# Altium PCB AD9361_EXT.PcbDoc (part 2 of 9)
Units mil, origin at the board's own origin, x right, y up, seen from the top; angles counter-clockwise.
Board outline 3145.03 x 1955.03 mil, 2 copper layers (Top Layer, Bottom Layer); 53 components, 59 nets, 286 pads, 253 vias.
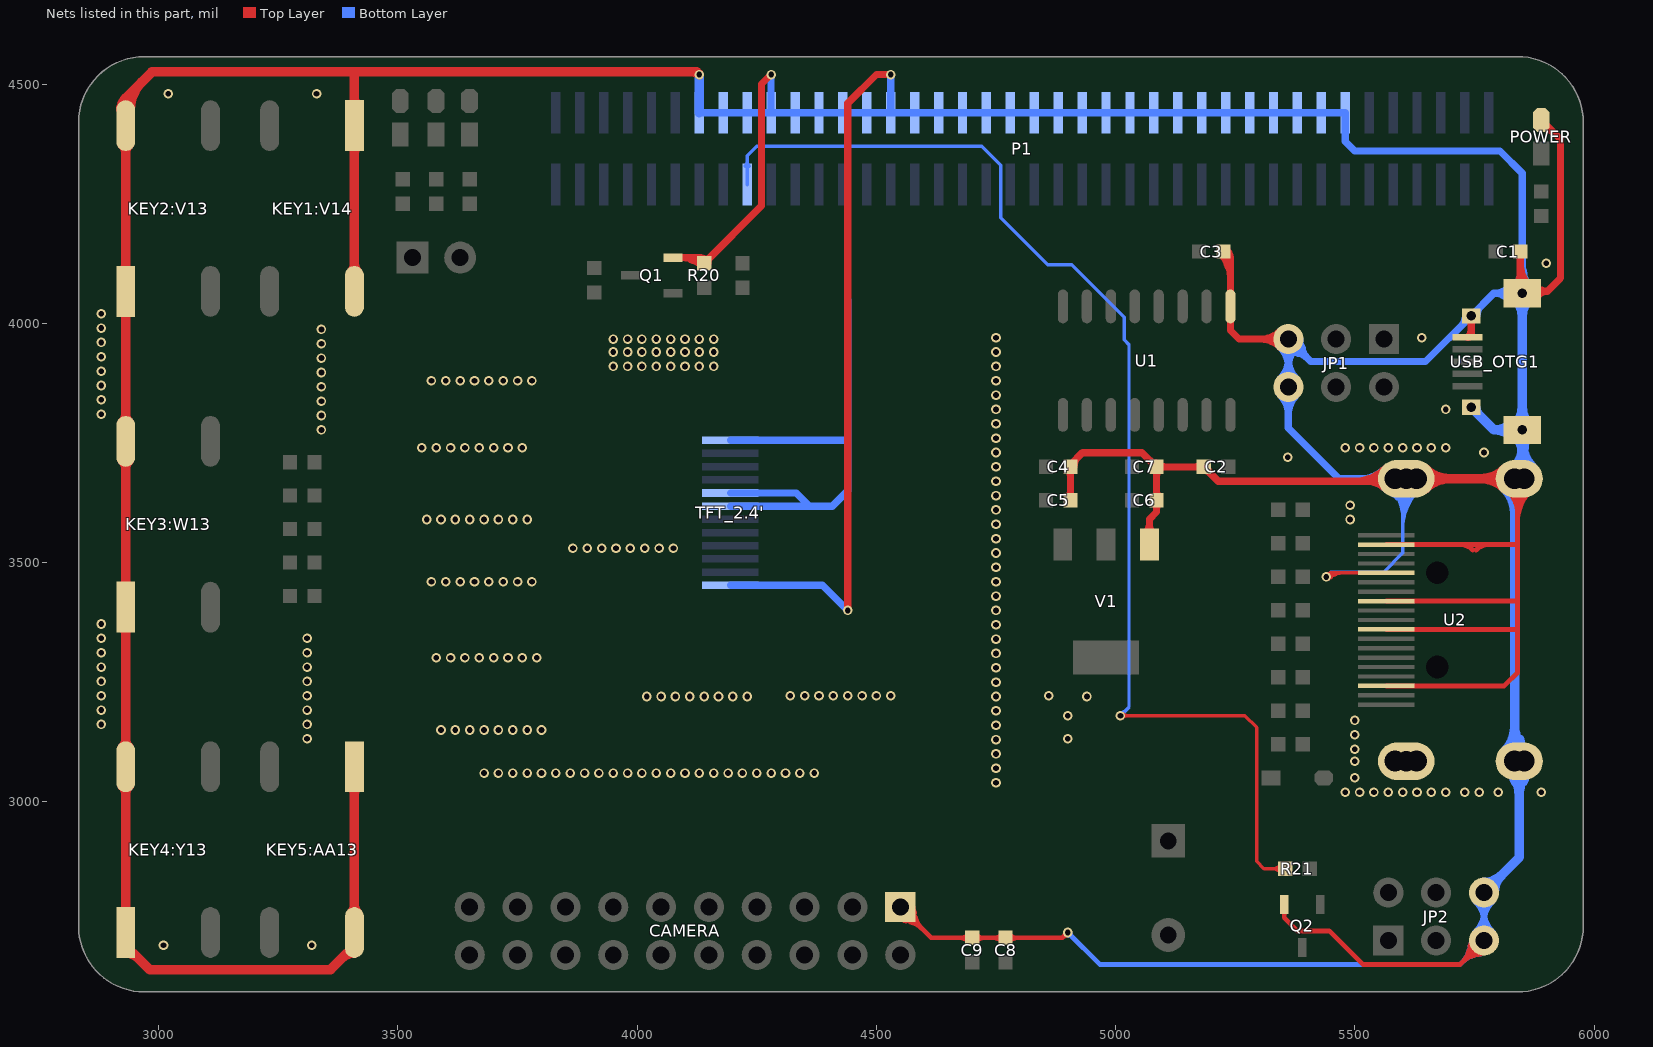
[diagram p2: the nets of this part, all layers, seen from the top]

## Via types
v1: diameter 20, hole 12, Top Layer to Bottom Layer, tented both sides, 253 vias

## Nets (pads, with @x,y where several pads share a name; then routed paths per layer and width w, separated by ;. In a path a pad name is that pad's centre, name@x,y a point inside that pad or via, vN(x,y) a via of type N, cw(c..) or ccw(c..) an arc to the next point about the centre after c; other vN are vias at no path point) (continued)
BEEP: P1.18 R21.1 | length 3021.7
  Top Layer w7: v1(5010,3180) 5270,3180 5294.7,3155.3 5294.7,2875.3 5310,2860 R21.1@5354.41,2860 ; v1@5014.6,3175.4 cw(c5025.69,3164.31) 5025.69,3180 ; v1@5014.6,3175.4 cw(c5025.69,3164.31) 5025.69,3180 ; v1@5014.6,3175.4 cw(c5025.69,3164.31) 5025.69,3180 ; v1@5014.6,3175.4 cw(c5025.69,3164.31) 5025.69,3180 ; v1@5014.6,3184.6 ccw(c5025.69,3195.69) 5025.69,3180 ; v1@5014.6,3184.6 ccw(c5025.69,3195.69) 5025.69,3180 ; v1@5014.6,3184.6 ccw(c5025.69,3195.69) 5025.69,3180 ; v1@5014.6,3184.6 ccw(c5025.69,3195.69) 5025.69,3180 ; 5326.64,2860 cw(c5326.64,2832.23) R21.1@5346.27,2851.87 ; 5326.64,2860 ccw(c5326.64,2887.76) R21.1@5346.27,2868.13 ; 5326.64,2860 cw(c5326.64,2832.23) R21.1@5346.27,2851.87 ; 5326.64,2860 ccw(c5326.64,2887.76) R21.1@5346.27,2868.13 ; 5326.64,2860 cw(c5326.64,2832.23) R21.1@5346.27,2851.87 ; 5326.64,2860 ccw(c5326.64,2887.76) R21.1@5346.27,2868.13 ; 5326.64,2860 cw(c5326.64,2832.23) R21.1@5346.27,2851.87 ; 5326.64,2860 ccw(c5326.64,2887.76) R21.1@5346.27,2868.13
  Bottom Layer w7: P1.18@4230,4290 4230,4350 4250,4370 4720,4370 4759.66,4330.34 4759.66,4220.54 4858.1,4122.1 4908.5,4122.1 5018,4012.6 5018,3965.21 5028,3955.21 5028,3198 v1(5010,3180) ; P1.18@4225.52,4328.34 ccw(c4214.69,4339.17) 4230,4339.17 ; P1.18@4225.52,4328.34 ccw(c4214.69,4339.17) 4230,4339.17 ; P1.18@4225.52,4328.34 ccw(c4214.69,4339.17) 4230,4339.17 ; P1.18@4225.52,4328.34 ccw(c4214.69,4339.17) 4230,4339.17 ; 4230,4339.17 ccw(c4245.31,4339.17) P1.18@4234.48,4328.34 ; 4230,4339.17 ccw(c4245.31,4339.17) P1.18@4234.48,4328.34 ; 4230,4339.17 ccw(c4245.31,4339.17) P1.18@4234.48,4328.34 ; 4230,4339.17 ccw(c4245.31,4339.17) P1.18@4234.48,4328.34 ; v1@5010,3186.5 ccw(c5010,3202.19) 5021.1,3191.1 ; v1@5010,3186.5 ccw(c5010,3202.19) 5021.1,3191.1 ; v1@5010,3186.5 ccw(c5010,3202.19) 5021.1,3191.1 ; v1@5010,3186.5 ccw(c5010,3202.19) 5021.1,3191.1 ; v1@5016.5,3180 cw(c5032.19,3180) 5021.1,3191.1 ; v1@5016.5,3180 cw(c5032.19,3180) 5021.1,3191.1 ; v1@5016.5,3180 cw(c5032.19,3180) 5021.1,3191.1 ; v1@5016.5,3180 cw(c5032.19,3180) 5021.1,3191.1
GND: C1.2 C2.2 C3.2 C4.2 C5.2 C6.2 C7.2 C8.2 C9.2 CAMERA.1 JP1.5 JP1.6 JP2.5 JP2.6 KEY1:V14.1 KEY2:V13.1 KEY3:W13.1 KEY4:Y13.1 KEY5:AA13.1 P1.13 P1.15 P1.17 P1.19 P1.21 P1.23 P1.25 P1.27 P1.29 P1.31 P1.33 P1.35 P1.37 P1.39 P1.41 P1.43 P1.45 P1.47 P1.49 P1.51 P1.53 P1.55 P1.57 P1.59 P1.61 P1.63 P1.65 P1.67 POWER.2 Q1.2 Q2.2 R20.1 TFT_2.4'.1 TFT_2.4'.5 TFT_2.4'.6 TFT_2.4'.12 U1.1 U2.2 U2.5 U2.8 U2.11 U2.17 U2.MH1 U2.MH2 U2.MH3 U2.MH4 USB_OTG1.5 V1.1 | length 82829.7
  Top Layer w7: v1(5440,3470) 5448.43,3478.43 U2.5@5566.06,3478.43 ; v1@5439.65,3470.35 cw(c5459.13,3450.87) 5459.13,3478.43 ; v1@5439.65,3470.35 cw(c5459.13,3450.87) 5459.13,3478.43 ; v1@5439.65,3470.35 cw(c5459.13,3450.87) 5459.13,3478.43 ; v1@5439.65,3470.35 cw(c5459.13,3450.87) 5459.13,3478.43 ; v1@5439.73,3469.58 ccw(c5445.77,3479.06) 5451.39,3469.33 ; v1@5439.73,3469.58 ccw(c5445.77,3479.06) 5451.39,3469.33 ; v1@5439.73,3469.58 ccw(c5445.77,3479.06) 5451.39,3469.33 ; v1@5439.73,3469.58 ccw(c5445.77,3479.06) 5451.39,3469.33 ; v1@5439.73,3469.58 ccw(c5445.77,3479.06) 5451.39,3469.33 ; v1@5439.73,3469.58 ccw(c5445.77,3479.06) 5451.39,3469.33 ; v1@5441.38,3476.35 ccw(c5443,3483.85) 5448.42,3478.42 ; v1@5441.38,3476.35 ccw(c5443,3483.85) 5448.42,3478.42 ; v1@5441.38,3476.35 ccw(c5443,3483.85) 5448.42,3478.42 ; v1@5441.38,3476.35 ccw(c5443,3483.85) 5448.42,3478.42 ; v1@5441.72,3476.27 ccw(c5445.35,3489.55) 5452.24,3477.63 ; v1@5441.72,3476.27 ccw(c5445.35,3489.55) 5452.24,3477.63 ; v1@5441.72,3476.27 ccw(c5445.35,3489.55) 5452.24,3477.63 ; v1@5441.72,3476.27 ccw(c5445.35,3489.55) 5452.24,3477.63 ; v1@5441.72,3476.27 ccw(c5445.35,3489.55) 5452.24,3477.63 ; v1@5441.72,3476.27 ccw(c5445.35,3489.55) 5452.24,3477.63 ; v1@5443.49,3475.48 ccw(c5452.76,3490.04) 5461.39,3475.1 ; v1@5443.49,3475.48 ccw(c5452.76,3490.04) 5461.39,3475.1 ; v1@5443.49,3475.48 ccw(c5452.76,3490.04) 5461.39,3475.1 ; v1@5443.49,3475.48 ccw(c5452.76,3490.04) 5461.39,3475.1 ; v1@5443.49,3475.48 ccw(c5452.76,3490.04) 5461.39,3475.1 ; v1@5443.49,3475.48 ccw(c5452.76,3490.04) 5461.39,3475.1 ; v1@5444.6,3465.4 cw(c5476.03,3433.97) 5476.03,3478.43 ; v1@5444.6,3465.4 cw(c5476.03,3433.97) 5476.03,3478.43 ; v1@5444.6,3465.4 cw(c5476.03,3433.97) 5476.03,3478.43 ; v1@5444.6,3465.4 cw(c5476.03,3433.97) 5476.03,3478.43 ; v1@5446.35,3471.38 cw(c5453.85,3473) 5448.42,3478.42 ; v1@5446.35,3471.38 cw(c5453.85,3473) 5448.42,3478.42 ; v1@5446.35,3471.38 cw(c5453.85,3473) 5448.42,3478.42 ; v1@5446.35,3471.38 cw(c5453.85,3473) 5448.42,3478.42 ; v1@5446.43,3469.06 cw(c5458.18,3467.35) 5452.24,3477.63 ; v1@5446.43,3469.06 cw(c5458.18,3467.35) 5452.24,3477.63 ; v1@5446.43,3469.06 cw(c5458.18,3467.35) 5452.24,3477.63 ; v1@5446.43,3469.06 cw(c5458.18,3467.35) 5452.24,3477.63 ; v1@5446.43,3469.06 cw(c5458.18,3467.35) 5452.24,3477.63 ; v1@5446.43,3469.06 cw(c5458.18,3467.35) 5452.24,3477.63
  Top Layer w10: CAMERA.1@4550,2780 4614.41,2715.59 C9.2@4700,2715.59 C8.2@4770,2715.59 4888.82,2715.59 v1(4900,2726.77) ; Q2.2@5352.6,2785 5352.6,2757.4 5380,2730 5446.59,2730 5516.59,2660 5720,2660 JP2.5@5770,2710 ; U2.17@5566.06,3242.2 5812.2,3242.2 5840,3270 5840,3360 ; U2.11@5566.06,3360.32 5839.69,3360.32 5840,3360 ; U2.8@5566.06,3419.37 5839.37,3419.37 5840,3420 ; U2.2@5566.06,3537.48 5840,3537.48 ; 5719.87,3537.48 cw(c5719.87,3499.87) 5746.46,3526.46 ; 5753.54,3526.46 cw(c5780.13,3499.87) 5780.13,3537.48 ; U2.MH3@5833.94,3675 5840,3668.94 5840,3537.48 ; CAMERA.1@4536.77,2777.29 ccw(c4571.43,2784.39) CAMERA.1@4562.27,2750.22 ; CAMERA.1@4536.77,2777.29 ccw(c4571.43,2784.39) CAMERA.1@4562.27,2750.22 ; CAMERA.1@4536.77,2777.29 ccw(c4571.43,2784.39) CAMERA.1@4562.27,2750.22 ; CAMERA.1@4536.77,2777.29 ccw(c4571.43,2784.39) CAMERA.1@4562.27,2750.22 ; CAMERA.1@4536.77,2777.29 ccw(c4571.43,2784.39) CAMERA.1@4562.27,2750.22 ; CAMERA.1@4536.77,2777.29 ccw(c4571.43,2784.39) CAMERA.1@4562.27,2750.22 ; CAMERA.1@4546.57,2779.3 ccw(c4589.16,2788.02) 4577.9,2746.03 ; CAMERA.1@4546.57,2779.3 ccw(c4589.16,2788.02) 4577.9,2746.03 ; CAMERA.1@4546.57,2779.3 ccw(c4589.16,2788.02) 4577.9,2746.03 ; CAMERA.1@4546.57,2779.3 ccw(c4589.16,2788.02) 4577.9,2746.03 ; CAMERA.1@4546.57,2779.3 ccw(c4589.16,2788.02) 4577.9,2746.03 ; CAMERA.1@4546.57,2779.3 ccw(c4589.16,2788.02) 4577.9,2746.03 ; CAMERA.1@4550,2753.5 cw(c4550,2689.54) 4595.23,2734.77 ; CAMERA.1@4550,2753.5 cw(c4550,2689.54) 4595.23,2734.77 ; CAMERA.1@4550,2753.5 cw(c4550,2689.54) 4595.23,2734.77 ; CAMERA.1@4550,2753.5 cw(c4550,2689.54) 4595.23,2734.77 ; CAMERA.1@4550,2763.5 cw(c4550,2723.68) CAMERA.1@4578.16,2751.84 ; CAMERA.1@4550,2763.5 cw(c4550,2723.68) CAMERA.1@4578.16,2751.84 ; CAMERA.1@4550,2763.5 cw(c4550,2723.68) CAMERA.1@4578.16,2751.84 ; CAMERA.1@4550,2763.5 cw(c4550,2723.68) CAMERA.1@4578.16,2751.84 ; CAMERA.1@4550.7,2783.43 cw(c4541.98,2740.84) 4583.97,2752.1 ; CAMERA.1@4550.7,2783.43 cw(c4541.98,2740.84) 4583.97,2752.1 ; CAMERA.1@4550.7,2783.43 cw(c4541.98,2740.84) 4583.97,2752.1 ; CAMERA.1@4550.7,2783.43 cw(c4541.98,2740.84) 4583.97,2752.1 ; CAMERA.1@4550.7,2783.43 cw(c4541.98,2740.84) 4583.97,2752.1 ; CAMERA.1@4550.7,2783.43 cw(c4541.98,2740.84) 4583.97,2752.1 ; CAMERA.1@4552.71,2793.23 cw(c4545.61,2758.57) CAMERA.1@4579.78,2767.73 ; CAMERA.1@4552.71,2793.23 cw(c4545.61,2758.57) CAMERA.1@4579.78,2767.73 ; CAMERA.1@4552.71,2793.23 cw(c4545.61,2758.57) CAMERA.1@4579.78,2767.73 ; CAMERA.1@4552.71,2793.23 cw(c4545.61,2758.57) CAMERA.1@4579.78,2767.73 ; CAMERA.1@4552.71,2793.23 cw(c4545.61,2758.57) CAMERA.1@4579.78,2767.73 ; CAMERA.1@4552.71,2793.23 cw(c4545.61,2758.57) CAMERA.1@4579.78,2767.73 ; CAMERA.1@4566.5,2780 ccw(c4606.32,2780) CAMERA.1@4578.16,2751.84 ; CAMERA.1@4566.5,2780 ccw(c4606.32,2780) CAMERA.1@4578.16,2751.84 ; CAMERA.1@4566.5,2780 ccw(c4606.32,2780) CAMERA.1@4578.16,2751.84 ; CAMERA.1@4566.5,2780 ccw(c4606.32,2780) CAMERA.1@4578.16,2751.84 ; CAMERA.1@4576.5,2780 ccw(c4640.46,2780) 4595.23,2734.77 ; CAMERA.1@4576.5,2780 ccw(c4640.46,2780) 4595.23,2734.77 ; CAMERA.1@4576.5,2780 ccw(c4640.46,2780) 4595.23,2734.77 ; CAMERA.1@4576.5,2780 ccw(c4640.46,2780) 4595.23,2734.77 ; 4675.86,2715.59 cw(c4675.86,2691.45) C9.2@4692.93,2708.52 ; 4675.86,2715.59 ccw(c4675.86,2739.73) C9.2@4692.93,2722.66 ; 4675.86,2715.59 cw(c4675.86,2691.45) C9.2@4692.93,2708.52 ; 4675.86,2715.59 ccw(c4675.86,2739.73) C9.2@4692.93,2722.66 ; 4675.86,2715.59 cw(c4675.86,2691.45) C9.2@4692.93,2708.52 ; 4675.86,2715.59 ccw(c4675.86,2739.73) C9.2@4692.93,2722.66 ; 4675.86,2715.59 cw(c4675.86,2691.45) C9.2@4692.93,2708.52 ; 4675.86,2715.59 ccw(c4675.86,2739.73) C9.2@4692.93,2722.66 ; C9.2@4707.07,2708.52 cw(c4724.15,2691.45) 4724.15,2715.59 ; C9.2@4707.07,2708.52 cw(c4724.15,2691.45) 4724.15,2715.59 ; C9.2@4707.07,2708.52 cw(c4724.15,2691.45) 4724.15,2715.59 ; C9.2@4707.07,2708.52 cw(c4724.15,2691.45) 4724.15,2715.59 ; C9.2@4707.07,2722.66 ccw(c4724.15,2739.73) 4724.15,2715.59 ; C9.2@4707.07,2722.66 ccw(c4724.15,2739.73) 4724.15,2715.59 ; C9.2@4707.07,2722.66 ccw(c4724.15,2739.73) 4724.15,2715.59 ; C9.2@4707.07,2722.66 ccw(c4724.15,2739.73) 4724.15,2715.59 ; 4745.86,2715.59 cw(c4745.86,2691.45) C8.2@4762.93,2708.52 ; 4745.86,2715.59 ccw(c4745.86,2739.73) C8.2@4762.93,2722.66 ; 4745.86,2715.59 cw(c4745.86,2691.45) C8.2@4762.93,2708.52 ; 4745.86,2715.59 ccw(c4745.86,2739.73) C8.2@4762.93,2722.66 ; 4745.86,2715.59 cw(c4745.86,2691.45) C8.2@4762.93,2708.52 ; 4745.86,2715.59 ccw(c4745.86,2739.73) C8.2@4762.93,2722.66 ; 4745.86,2715.59 cw(c4745.86,2691.45) C8.2@4762.93,2708.52 ; 4745.86,2715.59 ccw(c4745.86,2739.73) C8.2@4762.93,2722.66 ; C8.2@4777.07,2708.52 cw(c4794.15,2691.45) 4794.15,2715.59 ; C8.2@4777.07,2708.52 cw(c4794.15,2691.45) 4794.15,2715.59 ; C8.2@4777.07,2708.52 cw(c4794.15,2691.45) 4794.15,2715.59 ; C8.2@4777.07,2708.52 cw(c4794.15,2691.45) 4794.15,2715.59 ; C8.2@4777.07,2722.66 ccw(c4794.15,2739.73) 4794.15,2715.59 ; C8.2@4777.07,2722.66 ccw(c4794.15,2739.73) 4794.15,2715.59 ; C8.2@4777.07,2722.66 ccw(c4794.15,2739.73) 4794.15,2715.59 ; C8.2@4777.07,2722.66 ccw(c4794.15,2739.73) 4794.15,2715.59 ; 4891.46,2718.24 cw(c4900,2709.7) v1@4900,2721.77 ; 4891.46,2718.24 ccw(c4882.93,2726.77) v1@4895,2726.77 ; 4891.46,2718.24 cw(c4900,2709.7) v1@4900,2721.77 ; 4891.46,2718.24 ccw(c4882.93,2726.77) v1@4895,2726.77 ; 4891.46,2718.24 cw(c4900,2709.7) v1@4900,2721.77 ; 4891.46,2718.24 ccw(c4882.93,2726.77) v1@4895,2726.77 ; 4891.46,2718.24 cw(c4900,2709.7) v1@4900,2721.77 ; 4891.46,2718.24 ccw(c4882.93,2726.77) v1@4895,2726.77 ; Q2.2@5349.87,2771.45 cw(c5343.28,2764.86) 5352.6,2764.86 ; Q2.2@5349.87,2771.45 cw(c5343.28,2764.86) 5352.6,2764.86 ; Q2.2@5349.87,2771.45 cw(c5343.28,2764.86) 5352.6,2764.86 ; Q2.2@5349.87,2771.45 cw(c5343.28,2764.86) 5352.6,2764.86 ; 5352.6,2764.86 cw(c5361.91,2764.86) Q2.2@5355.33,2771.45 ; 5352.6,2764.86 cw(c5361.91,2764.86) Q2.2@5355.33,2771.45 ; 5352.6,2764.86 cw(c5361.91,2764.86) Q2.2@5355.33,2771.45 ; 5352.6,2764.86 cw(c5361.91,2764.86) Q2.2@5355.33,2771.45 ; 5724.77,2664.77 cw(c5770,2619.54) JP2.5@5770,2683.5 ; 5724.77,2664.77 ccw(c5679.54,2710) JP2.5@5743.5,2710 ; 5724.77,2664.77 cw(c5770,2619.54) JP2.5@5770,2683.5 ; 5724.77,2664.77 ccw(c5679.54,2710) JP2.5@5743.5,2710 ; 5724.77,2664.77 cw(c5770,2619.54) JP2.5@5770,2683.5 ; 5724.77,2664.77 ccw(c5679.54,2710) JP2.5@5743.5,2710 ; 5724.77,2664.77 cw(c5770,2619.54) JP2.5@5770,2683.5 ; 5724.77,2664.77 ccw(c5679.54,2710) JP2.5@5743.5,2710 ; 5736.03,2682.1 cw(c5778.02,2670.84) JP2.5@5769.3,2713.43 ; 5736.03,2682.1 cw(c5778.02,2670.84) JP2.5@5769.3,2713.43 ; 5736.03,2682.1 cw(c5778.02,2670.84) JP2.5@5769.3,2713.43 ; 5736.03,2682.1 cw(c5778.02,2670.84) JP2.5@5769.3,2713.43 ; 5736.03,2682.1 cw(c5778.02,2670.84) JP2.5@5769.3,2713.43 ; 5736.03,2682.1 cw(c5778.02,2670.84) JP2.5@5769.3,2713.43 ; 5740.22,2697.73 cw(c5774.39,2688.57) JP2.5@5767.29,2723.23 ; 5740.22,2697.73 cw(c5774.39,2688.57) JP2.5@5767.29,2723.23 ; 5740.22,2697.73 cw(c5774.39,2688.57) JP2.5@5767.29,2723.23 ; 5740.22,2697.73 cw(c5774.39,2688.57) JP2.5@5767.29,2723.23 ; 5740.22,2697.73 cw(c5774.39,2688.57) JP2.5@5767.29,2723.23 ; 5740.22,2697.73 cw(c5774.39,2688.57) JP2.5@5767.29,2723.23 ; 5741.84,2681.84 cw(c5770,2653.68) JP2.5@5770,2693.5 ; 5741.84,2681.84 ccw(c5713.68,2710) JP2.5@5753.5,2710 ; 5741.84,2681.84 cw(c5770,2653.68) JP2.5@5770,2693.5 ; 5741.84,2681.84 ccw(c5713.68,2710) JP2.5@5753.5,2710 ; 5741.84,2681.84 cw(c5770,2653.68) JP2.5@5770,2693.5 ; 5741.84,2681.84 ccw(c5713.68,2710) JP2.5@5753.5,2710 ; 5741.84,2681.84 cw(c5770,2653.68) JP2.5@5770,2693.5 ; 5741.84,2681.84 ccw(c5713.68,2710) JP2.5@5753.5,2710 ; 5742.1,2676.03 ccw(c5730.84,2718.02) JP2.5@5773.43,2709.3 ; 5742.1,2676.03 ccw(c5730.84,2718.02) JP2.5@5773.43,2709.3 ; 5742.1,2676.03 ccw(c5730.84,2718.02) JP2.5@5773.43,2709.3 ; 5742.1,2676.03 ccw(c5730.84,2718.02) JP2.5@5773.43,2709.3 ; 5742.1,2676.03 ccw(c5730.84,2718.02) JP2.5@5773.43,2709.3 ; 5742.1,2676.03 ccw(c5730.84,2718.02) JP2.5@5773.43,2709.3 ; 5757.73,2680.22 ccw(c5748.57,2714.39) JP2.5@5783.23,2707.29 ; 5757.73,2680.22 ccw(c5748.57,2714.39) JP2.5@5783.23,2707.29 ; 5757.73,2680.22 ccw(c5748.57,2714.39) JP2.5@5783.23,2707.29 ; 5757.73,2680.22 ccw(c5748.57,2714.39) JP2.5@5783.23,2707.29 ; 5757.73,2680.22 ccw(c5748.57,2714.39) JP2.5@5783.23,2707.29 ; 5757.73,2680.22 ccw(c5748.57,2714.39) JP2.5@5783.23,2707.29 ; U2.MH3@5819.32,3650.97 cw(c5769.39,3601.04) 5840,3601.04 ; U2.MH3@5819.32,3650.97 cw(c5769.39,3601.04) 5840,3601.04 ; U2.MH3@5819.32,3650.97 cw(c5769.39,3601.04) 5840,3601.04 ; U2.MH3@5819.32,3650.97 cw(c5769.39,3601.04) 5840,3601.04 ; U2.MH3@5819.32,3650.97 cw(c5769.39,3601.04) 5840,3601.04 ; U2.MH3@5819.32,3650.97 cw(c5769.39,3601.04) 5840,3601.04 ; U2.MH3@5822.16,3663.22 cw(c5779.09,3620.16) 5840,3620.16 ; U2.MH3@5822.16,3663.22 cw(c5779.09,3620.16) 5840,3620.16 ; U2.MH3@5822.16,3663.22 cw(c5779.09,3620.16) 5840,3620.16 ; U2.MH3@5822.16,3663.22 cw(c5779.09,3620.16) 5840,3620.16 ; U2.MH3@5822.16,3663.22 cw(c5779.09,3620.16) 5840,3620.16 ; U2.MH3@5822.16,3663.22 cw(c5779.09,3620.16) 5840,3620.16 ; U2.MH3@5826.39,3658.04 cw(c5793.53,3625.19) 5840,3625.19 ; U2.MH3@5826.39,3658.04 cw(c5793.53,3625.19) 5840,3625.19 ; U2.MH3@5826.39,3658.04 cw(c5793.53,3625.19) 5840,3625.19 ; U2.MH3@5826.39,3658.04 cw(c5793.53,3625.19) 5840,3625.19 ; U2.MH3@5826.39,3658.04 cw(c5793.53,3625.19) 5840,3625.19 ; U2.MH3@5826.39,3658.04 cw(c5793.53,3625.19) 5840,3625.19 ; U2.MH3@5829.23,3670.3 cw(c5803.24,3644.3) U2.MH3@5840,3644.3 ; U2.MH3@5829.23,3670.3 cw(c5803.24,3644.3) U2.MH3@5840,3644.3 ; U2.MH3@5829.23,3670.3 cw(c5803.24,3644.3) U2.MH3@5840,3644.3 ; U2.MH3@5829.23,3670.3 cw(c5803.24,3644.3) U2.MH3@5840,3644.3 ; U2.MH3@5829.23,3670.3 cw(c5803.24,3644.3) U2.MH3@5840,3644.3 ; U2.MH3@5829.23,3670.3 cw(c5803.24,3644.3) U2.MH3@5840,3644.3 ; U2.MH3@5835.9,3658.46 cw(c5837.52,3644.86) U2.MH3@5849.18,3652.04 ; U2.MH3@5835.9,3658.46 cw(c5837.52,3644.86) U2.MH3@5849.18,3652.04 ; U2.MH3@5835.9,3658.46 cw(c5837.52,3644.86) U2.MH3@5849.18,3652.04 ; U2.MH3@5835.9,3658.46 cw(c5837.52,3644.86) U2.MH3@5849.18,3652.04 ; U2.MH3@5835.9,3658.46 cw(c5837.52,3644.86) U2.MH3@5849.18,3652.04 ; U2.MH3@5835.9,3658.46 cw(c5837.52,3644.86) U2.MH3@5849.18,3652.04 ; U2.MH3@5835.9,3658.46 cw(c5837.52,3644.86) U2.MH3@5849.18,3652.04 ; U2.MH3@5835.9,3658.46 cw(c5837.52,3644.86) U2.MH3@5849.18,3652.04 ; U2.MH3@5835.9,3658.46 cw(c5837.52,3644.86) U2.MH3@5849.18,3652.04 ; U2.MH3@5835.9,3658.46 cw(c5837.52,3644.86) U2.MH3@5849.18,3652.04 ; U2.MH3@5835.9,3658.46 cw(c5837.52,3644.86) U2.MH3@5849.18,3652.04 ; U2.MH3@5835.9,3658.46 cw(c5837.52,3644.86) U2.MH3@5849.18,3652.04 ; U2.MH3@5835.9,3658.46 cw(c5837.52,3644.86) U2.MH3@5849.18,3652.04 ; U2.MH3@5835.9,3658.46 cw(c5837.52,3644.86) U2.MH3@5849.18,3652.04 ; U2.MH3@5835.9,3658.46 cw(c5837.52,3644.86) U2.MH3@5849.18,3652.04 ; U2.MH3@5835.9,3658.46 cw(c5837.52,3644.86) U2.MH3@5849.18,3652.04 ; U2.MH3@5835.9,3658.46 cw(c5837.52,3644.86) U2.MH3@5849.18,3652.04 ; U2.MH3@5835.9,3658.46 cw(c5837.52,3644.86) U2.MH3@5849.18,3652.04 ; U2.MH3@5835.9,3658.46 cw(c5837.52,3644.86) U2.MH3@5849.18,3652.04 ; U2.MH3@5835.9,3658.46 cw(c5837.52,3644.86) U2.MH3@5849.18,3652.04 ; U2.MH3@5835.9,3658.46 cw(c5837.52,3644.86) U2.MH3@5849.18,3652.04 ; U2.MH3@5835.9,3658.46 cw(c5837.52,3644.86) U2.MH3@5849.18,3652.04 ; U2.MH3@5835.9,3658.46 cw(c5837.52,3644.86) U2.MH3@5849.18,3652.04 ; U2.MH3@5835.9,3658.46 cw(c5837.52,3644.86) U2.MH3@5849.18,3652.04 ; U2.MH3@5835.9,3658.46 cw(c5837.52,3644.86) U2.MH3@5849.18,3652.04 ; U2.MH3@5835.9,3658.46 cw(c5837.52,3644.86) U2.MH3@5849.18,3652.04 ; U2.MH3@5835.9,3658.46 cw(c5837.52,3644.86) U2.MH3@5849.18,3652.04 ; U2.MH3@5835.9,3658.46 cw(c5837.52,3644.86) U2.MH3@5849.18,3652.04 ; U2.MH3@5835.9,3658.46 cw(c5837.52,3644.86) U2.MH3@5849.18,3652.04 ; U2.MH3@5835.9,3658.46 cw(c5837.52,3644.86) U2.MH3@5849.18,3652.04 ; U2.MH3@5835.9,3658.46 cw(c5837.52,3644.86) U2.MH3@5849.18,3652.04 ; U2.MH3@5835.9,3658.46 cw(c5837.52,3644.86) U2.MH3@5849.18,3652.04 ; U2.MH3@5835.9,3658.46 cw(c5837.52,3644.86) U2.MH3@5849.18,3652.04 ; U2.MH3@5835.9,3658.46 cw(c5837.52,3644.86) U2.MH3@5849.18,3652.04 ; U2.MH3@5835.9,3658.46 cw(c5837.52,3644.86) U2.MH3@5849.18,3652.04 ; U2.MH3@5836.4,3658.53 cw(c5838.48,3644.63) U2.MH3@5849.96,3652.73 ; U2.MH3@5836.4,3658.53 cw(c5838.48,3644.63) U2.MH3@5849.96,3652.73 ; U2.MH3@5836.4,3658.53 cw(c5838.48,3644.63) U2.MH3@5849.96,3652.73 ; U2.MH3@5836.4,3658.53 cw(c5838.48,3644.63) U2.MH3@5849.96,3652.73 ; U2.MH3@5836.4,3658.53 cw(c5838.48,3644.63) U2.MH3@5849.96,3652.73 ; U2.MH3@5836.4,3658.53 cw(c5838.48,3644.63) U2.MH3@5849.96,3652.73 ; U2.MH3@5836.4,3658.53 cw(c5838.48,3644.63) U2.MH3@5849.96,3652.73 ; U2.MH3@5836.4,3658.53 cw(c5838.48,3644.63) U2.MH3@5849.96,3652.73 ; U2.MH3@5836.4,3658.53 cw(c5838.48,3644.63) U2.MH3@5849.96,3652.73 ; U2.MH3@5836.4,3658.53 cw(c5838.48,3644.63) U2.MH3@5849.96,3652.73 ; U2.MH3@5836.4,3658.53 cw(c5838.48,3644.63) U2.MH3@5849.96,3652.73 ; U2.MH3@5836.4,3658.53 cw(c5838.48,3644.63) U2.MH3@5849.96,3652.73 ; U2.MH3@5836.4,3658.53 cw(c5838.48,3644.63) U2.MH3@5849.96,3652.73 ; U2.MH3@5836.4,3658.53 cw(c5838.48,3644.63) U2.MH3@5849.96,3652.73 ; U2.MH3@5836.4,3658.53 cw(c5838.48,3644.63) U2.MH3@5849.96,3652.73 ; U2.MH3@5836.4,3658.53 cw(c5838.48,3644.63) U2.MH3@5849.96,3652.73 ; U2.MH3@5836.4,3658.53 cw(c5838.48,3644.63) U2.MH3@5849.96,3652.73 ; U2.MH3@5836.4,3658.53 cw(c5838.48,3644.63) U2.MH3@5849.96,3652.73 ; U2.MH3@5836.4,3658.53 cw(c5838.48,3644.63) U2.MH3@5849.96,3652.73 ; U2.MH3@5836.4,3658.53 cw(c5838.48,3644.63) U2.MH3@5849.96,3652.73 ; U2.MH3@5838.31,3658.93 cw(c5840.11,3652.29) U2.MH3@5846.16,3655.57 ; U2.MH3@5838.31,3658.93 cw(c5840.11,3652.29) U2.MH3@5846.16,3655.57 ; U2.MH3@5838.31,3658.93 cw(c5840.11,3652.29) U2.MH3@5846.16,3655.57 ; U2.MH3@5838.31,3658.93 cw(c5840.11,3652.29) U2.MH3@5846.16,3655.57 ; U2.MH3@5838.31,3658.93 cw(c5840.11,3652.29) U2.MH3@5846.16,3655.57 ; U2.MH3@5838.31,3658.93 cw(c5840.11,3652.29) U2.MH3@5846.16,3655.57 ; U2.MH3@5838.31,3658.93 cw(c5840.11,3652.29) U2.MH3@5846.16,3655.57 ; U2.MH3@5838.31,3658.93 cw(c5840.11,3652.29) U2.MH3@5846.16,3655.57 ; U2.MH3@5838.31,3658.93 cw(c5840.11,3652.29) U2.MH3@5846.16,3655.57 ; U2.MH3@5838.31,3658.93 cw(c5840.11,3652.29) U2.MH3@5846.16,3655.57 ; U2.MH3@5838.31,3658.93 cw(c5840.11,3652.29) U2.MH3@5846.16,3655.57 ; U2.MH3@5838.31,3658.93 cw(c5840.11,3652.29) U2.MH3@5846.16,3655.57 ; U2.MH3@5838.31,3658.93 cw(c5840.11,3652.29) U2.MH3@5846.16,3655.57 ; U2.MH3@5838.31,3658.93 cw(c5840.11,3652.29) U2.MH3@5846.16,3655.57 ; U2.MH3@5838.31,3658.93 cw(c5840.11,3652.29) U2.MH3@5846.16,3655.57 ; U2.MH3@5838.31,3658.93 cw(c5840.11,3652.29) U2.MH3@5846.16,3655.57 ; U2.MH3@5838.31,3658.93 cw(c5840.11,3652.29) U2.MH3@5846.16,3655.57 ; U2.MH3@5838.31,3658.93 cw(c5840.11,3652.29) U2.MH3@5846.16,3655.57 ; U2.MH3@5838.31,3658.93 cw(c5840.11,3652.29) U2.MH3@5846.16,3655.57 ; U2.MH3@5838.31,3658.93 cw(c5840.11,3652.29) U2.MH3@5846.16,3655.57 ; 5840,3360 5840,3420 ; 5840,3420 5840,3537.48 ; 5840,3583.55 cw(c5935.34,3583.55) U2.MH3@5867.93,3650.97 ; 5840,3583.55 cw(c5935.34,3583.55) U2.MH3@5867.93,3650.97 ; 5840,3583.55 cw(c5935.34,3583.55) U2.MH3@5867.93,3650.97 ; 5840,3583.55 cw(c5935.34,3583.55) U2.MH3@5867.93,3650.97 ; 5840,3583.55 cw(c5935.34,3583.55) U2.MH3@5867.93,3650.97 ; 5840,3583.55 cw(c5935.34,3583.55) U2.MH3@5867.93,3650.97 ; 5840,3601.15 cw(c5927.79,3601.15) U2.MH3@5865.71,3663.22 ; 5840,3601.15 cw(c5927.79,3601.15) U2.MH3@5865.71,3663.22 ; 5840,3601.15 cw(c5927.79,3601.15) U2.MH3@5865.71,3663.22 ; 5840,3601.15 cw(c5927.79,3601.15) U2.MH3@5865.71,3663.22 ; 5840,3601.15 cw(c5927.79,3601.15) U2.MH3@5865.71,3663.22 ; 5840,3601.15 cw(c5927.79,3601.15) U2.MH3@5865.71,3663.22 ; 5840,3607.7 cw(c5911.2,3607.7) U2.MH3@5860.85,3658.04 ; 5840,3607.7 cw(c5911.2,3607.7) U2.MH3@5860.85,3658.04 ; 5840,3607.7 cw(c5911.2,3607.7) U2.MH3@5860.85,3658.04 ; 5840,3607.7 cw(c5911.2,3607.7) U2.MH3@5860.85,3658.04 ; 5840,3607.7 cw(c5911.2,3607.7) U2.MH3@5860.85,3658.04 ; 5840,3607.7 cw(c5911.2,3607.7) U2.MH3@5860.85,3658.04 ; 5840,3625.29 cw(c5903.65,3625.29) U2.MH3@5858.64,3670.3 ; 5840,3625.29 cw(c5903.65,3625.29) U2.MH3@5858.64,3670.3 ; 5840,3625.29 cw(c5903.65,3625.29) U2.MH3@5858.64,3670.3 ; 5840,3625.29 cw(c5903.65,3625.29) U2.MH3@5858.64,3670.3 ; 5840,3625.29 cw(c5903.65,3625.29) U2.MH3@5858.64,3670.3 ; 5840,3625.29 cw(c5903.65,3625.29) U2.MH3@5858.64,3670.3 ; 5840,3631.84 cw(c5887.06,3631.84) U2.MH3@5853.78,3665.11 ; 5840,3631.84 cw(c5887.06,3631.84) U2.MH3@5853.78,3665.11 ; 5840,3631.84 cw(c5887.06,3631.84) U2.MH3@5853.78,3665.11 ; 5840,3631.84 cw(c5887.06,3631.84) U2.MH3@5853.78,3665.11 ; 5840,3631.84 cw(c5887.06,3631.84) U2.MH3@5853.78,3665.11 ; 5840,3631.84 cw(c5887.06,3631.84) U2.MH3@5853.78,3665.11 ; U2.MH3@5840,3649.43 cw(c5879.5,3649.43) U2.MH3@5851.57,3677.37 ; U2.MH3@5840,3649.43 cw(c5859.5,3649.43) U2.MH3@5845.71,3663.22 ; U2.MH3@5840,3649.43 cw(c5879.5,3649.43) U2.MH3@5851.57,3677.37 ; U2.MH3@5840,3649.43 cw(c5859.5,3649.43) U2.MH3@5845.71,3663.22 ; U2.MH3@5840,3649.43 cw(c5879.5,3649.43) U2.MH3@5851.57,3677.37 ; U2.MH3@5840,3649.43 cw(c5859.5,3649.43) U2.MH3@5845.71,3663.22 ; U2.MH3@5840,3649.43 cw(c5879.5,3649.43) U2.MH3@5851.57,3677.37 ; U2.MH3@5840,3649.43 cw(c5859.5,3649.43) U2.MH3@5845.71,3663.22 ; U2.MH3@5840,3649.43 cw(c5879.5,3649.43) U2.MH3@5851.57,3677.37 ; U2.MH3@5840,3649.43 cw(c5859.5,3649.43) U2.MH3@5845.71,3663.22 ; U2.MH3@5840,3649.43 cw(c5879.5,3649.43) U2.MH3@5851.57,3677.37 ; U2.MH3@5840,3649.43 cw(c5859.5,3649.43) U2.MH3@5845.71,3663.22 ; U2.MH3@5839.98,3665.91 cw(c5830.34,3659.62) U2.MH3@5840.31,3653.86 ; U2.MH3@5839.98,3665.91 cw(c5830.34,3659.62) U2.MH3@5840.31,3653.86 ; U2.MH3@5839.98,3665.91 cw(c5830.34,3659.62) U2.MH3@5840.31,3653.86 ; U2.MH3@5839.98,3665.91 cw(c5830.34,3659.62) U2.MH3@5840.31,3653.86 ; U2.MH3@5839.98,3665.91 cw(c5830.34,3659.62) U2.MH3@5840.31,3653.86 ; U2.MH3@5839.98,3665.91 cw(c5830.34,3659.62) U2.MH3@5840.31,3653.86 ; U2.MH3@5839.98,3665.91 cw(c5830.34,3659.62) U2.MH3@5840.31,3653.86 ; U2.MH3@5839.98,3665.91 cw(c5830.34,3659.62) U2.MH3@5840.31,3653.86 ; U2.MH3@5839.98,3665.91 cw(c5830.34,3659.62) U2.MH3@5840.31,3653.86 ; U2.MH3@5839.98,3665.91 cw(c5830.34,3659.62) U2.MH3@5840.31,3653.86 ; U2.MH3@5839.98,3665.91 cw(c5830.34,3659.62) U2.MH3@5840.31,3653.86 ; U2.MH3@5839.98,3665.91 cw(c5830.34,3659.62) U2.MH3@5840.31,3653.86 ; U2.MH3@5839.98,3665.91 cw(c5830.34,3659.62) U2.MH3@5840.31,3653.86 ; U2.MH3@5839.98,3665.91 cw(c5830.34,3659.62) U2.MH3@5840.31,3653.86 ; U2.MH3@5839.98,3665.91 cw(c5830.34,3659.62) U2.MH3@5840.31,3653.86 ; U2.MH3@5839.98,3665.91 cw(c5830.34,3659.62) U2.MH3@5840.31,3653.86 ; U2.MH3@5839.98,3665.91 cw(c5830.34,3659.62) U2.MH3@5840.31,3653.86 ; U2.MH3@5839.98,3665.91 cw(c5830.34,3659.62) U2.MH3@5840.31,3653.86 ; U2.MH3@5839.98,3665.91 cw(c5830.34,3659.62) U2.MH3@5840.31,3653.86 ; U2.MH3@5839.98,3665.91 cw(c5830.34,3659.62) U2.MH3@5840.31,3653.86 ; U2.MH3@5839.98,3665.91 cw(c5830.34,3659.62) U2.MH3@5840.31,3653.86 ; U2.MH3@5840.31,3653.86 cw(c5848.9,3648.9) U2.MH3@5850.78,3658.65 ; U2.MH3@5840.31,3653.86 cw(c5848.9,3648.9) U2.MH3@5850.78,3658.65 ; U2.MH3@5840.31,3653.86 cw(c5848.9,3648.9) U2.MH3@5850.78,3658.65 ; U2.MH3@5840.31,3653.86 cw(c5848.9,3648.9) U2.MH3@5850.78,3658.65 ; U2.MH3@5840.31,3653.86 cw(c5848.9,3648.9) U2.MH3@5850.78,3658.65 ; U2.MH3@5840.31,3653.86 cw(c5848.9,3648.9) U2.MH3@5850.78,3658.65 ; U2.MH3@5840.31,3653.86 cw(c5848.9,3648.9) U2.MH3@5850.78,3658.65 ; U2.MH3@5840.31,3653.86 cw(c5848.9,3648.9) U2.MH3@5850.78,3658.65 ; U2.MH3@5840.31,3653.86 cw(c5848.9,3648.9) U2.MH3@5850.78,3658.65 ; U2.MH3@5840.31,3653.86 cw(c5848.9,3648.9) U2.MH3@5850.78,3658.65 ; U2.MH3@5840.31,3653.86 cw(c5848.9,3648.9) U2.MH3@5850.78,3658.65 ; U2.MH3@5840.31,3653.86 cw(c5848.9,3648.9) U2.MH3@5850.78,3658.65 ; U2.MH3@5840.31,3653.86 cw(c5848.9,3648.9) U2.MH3@5850.78,3658.65 ; U2.MH3@5840.31,3653.86 cw(c5848.9,3648.9) U2.MH3@5850.78,3658.65 ; U2.MH3@5840.31,3653.86 cw(c5848.9,3648.9) U2.MH3@5850.78,3658.65 ; U2.MH3@5840.31,3653.86 cw(c5848.9,3648.9) U2.MH3@5850.78,3658.65 